# Altium PCB ssmaster.PcbDoc (part 3 of 3) (continued)
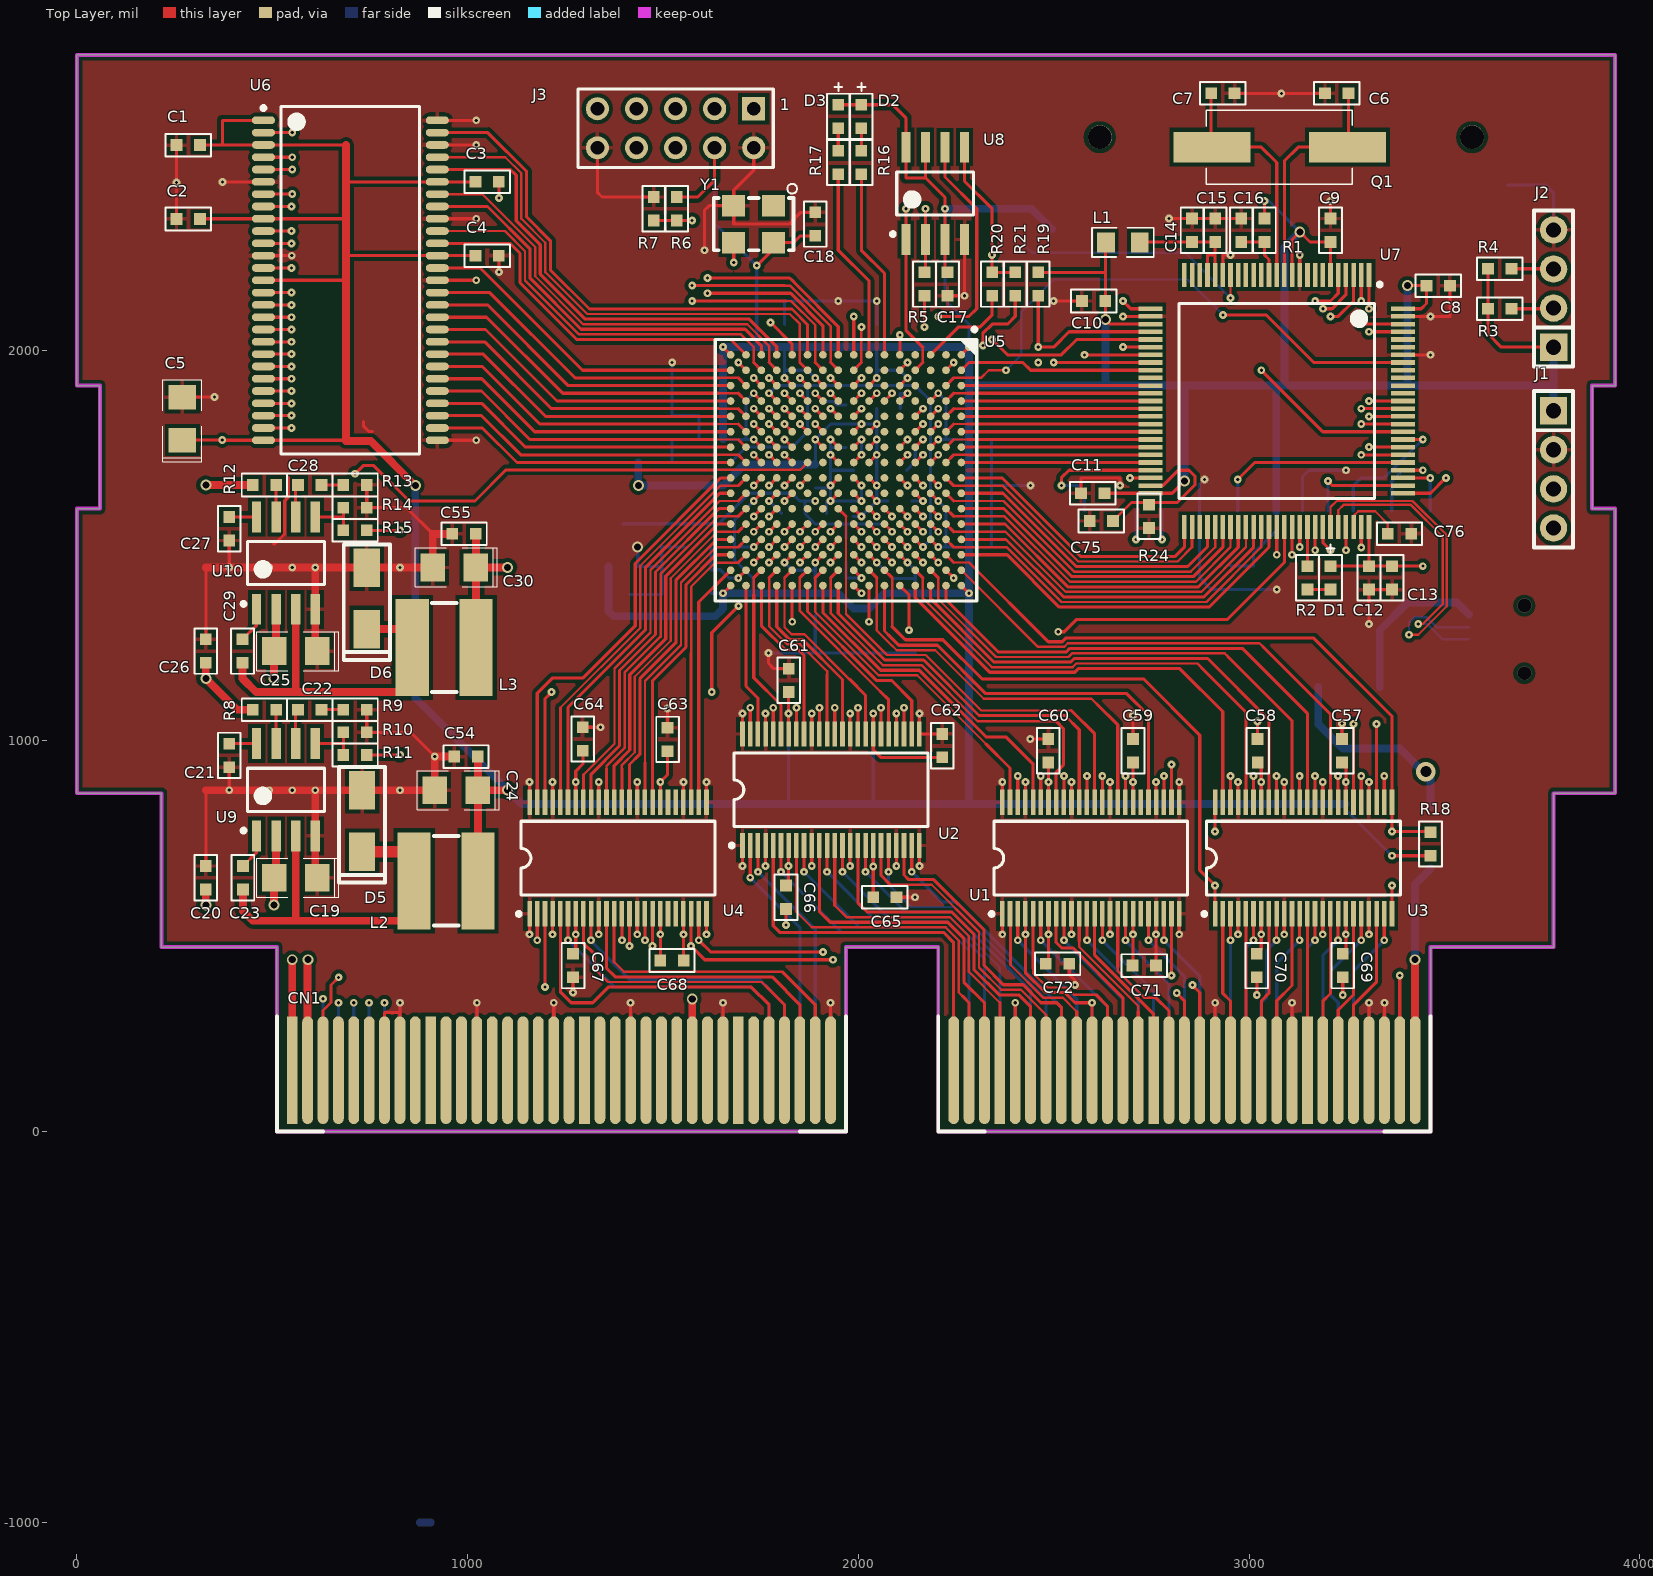
[diagram p0: Top Layer view]
## Nets (pads, with @x,y where several pads share a name; then routed paths per layer and width w, separated by ;. In a path a pad name is that pad's centre, name@x,y a point inside that pad or via, vN(x,y) a via of type N, cw(c..) or ccw(c..) an arc to the next point about the centre after c; other vN are vias at no path point) (continued)
MD4: U5.K5 U6.8 | length 1697.7
  Top Layer w8: U6.8@477.56,2367.98 v1(549.61,2367.98) ; v1(1889.76,1850.39) U5.K5@1909.45,1830.71
  Mid-Layer 1 w6: 1870.08,1943.89 1870.08,1881.89 1889.76,1862.21 v1(1889.76,1850.39)
  Mid-Layer 1 w8: v1(549.61,2367.98) 812.58,2105 1708.97,2105 1870.08,1943.89
MD5: U5.L3 U6.10 | length 1563.3
  Top Layer w8: U6.10@477.56,2304.98 v1(549.61,2304.98) ; v1(1850.39,1929.13) U5.L3@1870.08,1909.45
  Mid-Layer 1 w8: v1(549.61,2304.98) 772.59,2082 1709.34,2082 1850.39,1940.95 v1(1850.39,1929.13)
MD6: U5.L4 U6.11 | length 1575.4
  Top Layer w8: U6.11@477.56,2273.49 v1(549.61,2273.49) ; v1(1850.39,1889.76) U5.L4@1870.08,1870.08
  Mid-Layer 1 w6: 1817.43,1948.82 1818.11,1948.13 1818.89,1948.13 1830.02,1937 1830.02,1922.63 1850.39,1902.26 v1(1850.39,1889.76)
  Mid-Layer 1 w8: v1(549.61,2273.49) 762.09,2061 1705.24,2061 1817.43,1948.82
MD7: U5.K6 U6.13 | length 1648.2
  Top Layer w8: U6.13@477.56,2210.5 v1(549.61,2210.5) ; v1(1889.76,1811.02) U5.K6@1909.45,1791.34
  Mid-Layer 1 w6: 1787.4,1955.7 1792.02,1951.08 1792.02,1921.26 1803.15,1910.13 1818.21,1910.13 1831.39,1896.95 1831.39,1881.89 1842.52,1870.76 1857.58,1870.76 1870.76,1857.58 1870.76,1842.52 1889.76,1823.52 v1(1889.76,1811.02)
  Mid-Layer 1 w8: v1(549.61,2210.5) 732.54,2027.56 1644.94,2027.56 1645.26,2027.88 1712.28,2027.88 1735.96,2004.19 1738.91,2004.19 1787.4,1955.7
MD8: U5.T2 U6.42 | length 859.2
  Top Layer w8: U6.42@922.44,2210.5 1032.5,2210.5 1294.18,1948.82 U5.T2@1673.23,1948.82
MD9: U5.R1 U6.44 | length 952.2
  Top Layer w8: U6.44@922.44,2273.49 1108.51,2273.49 1134,2248 1134,2173.09 1279.53,2027.56 1673.23,2027.56 U5.R1@1712.6,1988.19
MD10: U5.P2 U6.45 | length 1044
  Top Layer w6: U6.45@922.44,2304.98 1095.4,2304.98 1147,2253.38 1147,2178.47 1284.91,2040.56 1699.59,2040.56 1732.28,2007.87 1732.28,1968.5
  Top Layer w8: 1732.28,1968.5 U5.P2@1751.97,1948.82
MD11: U5.P1 U6.47 | length 1044.6
  Top Layer w8: U6.47@922.44,2367.98 1050.79,2367.98 1160,2258.77 1160,2183.86 1290.3,2053.56 1710.22,2053.56 1751.97,2011.81 U5.P1@1751.97,1988.19
MD12: U5.N2 U6.48 | length 1124.1
  Top Layer w6: U6.48@922.44,2399.47 1037.68,2399.47 1173,2264.15 1173,2189.24 1295.68,2066.56 1715.61,2066.56 1771.65,2010.51 1771.65,1968.5
  Top Layer w8: 1771.65,1968.5 U5.N2@1791.34,1948.82
MD13: U5.N1 U6.50 | length 1189.8
  Top Layer w8: U6.50@922.44,2462.46 1109.54,2462.46 1124.58,2447.42 1124.58,2330.95 1186,2269.54 1186,2194.63 1301.07,2079.56 1720.99,2079.56 1791.34,2009.21 U5.N1@1791.34,1988.19
MD14: U5.L2 U6.51 | length 1343.2
  Top Layer w6: U6.51@922.44,2493.96 1096.42,2493.96 1137.58,2452.8 1137.58,2336.34 1199,2274.92 1199,2200.01 1306.45,2092.56 1824.76,2092.56 1850.39,2066.93 1850.39,1968.5
  Top Layer w8: 1850.39,1968.5 U5.L2@1870.08,1948.82
MD15: U5.L1 U6.53 | length 1340.7
  Top Layer w8: U6.53@922.44,2556.95 1051.82,2556.95 1150.58,2458.19 1150.58,2341.72 1212,2280.31 1212,2205.39 1311.84,2105.56 1830.15,2105.56 1870.08,2065.63 U5.L1@1870.08,1988.19
MLDQM: U5.N3 U6.15 | length 1424.7
  Top Layer w8: U6.15@477.56,2147.5 v1(549.61,2147.5) ; v1(1771.65,1929.13) U5.N3@1791.34,1909.45
  Mid-Layer 1 w8: v1(549.61,2147.5) 708.92,1988.19 709.23,1988.5 1644.63,1988.5 1645.26,1987.88 1684,1987.88 1684.63,1988.5 1701.2,1988.5 1701.51,1988.19 1732.28,1988.19 1771.65,1948.82 v1(1771.65,1929.13)
MRAS: U5.M6 U6.18 | length 1486.9
  Top Layer w8: U6.18@477.56,2053.02 v1(549.61,2053.02) ; v1(1811.02,1811.02) U5.M6@1830.71,1791.34
  Mid-Layer 1 w6: 1716.54,1909.45 1740.16,1909.45 1740.16,1908.76 1751.28,1897.63 1751.28,1882.58 1763.78,1870.08 1779.53,1870.08 1791.34,1858.27 1791.34,1830.71
  Mid-Layer 1 w8: v1(549.61,2053.02) 693.17,1909.45 1716.54,1909.45 ; 1791.34,1830.71 v1(1811.02,1811.02)
MSEL1: R6.1 R7.2 U5.H12 | length 1154.6
  Top Layer w8: R7.2@1476.38,2332.2 R6.1@1535.43,2332.2 v1(1574.8,2332.2) ; U5.H12@1988.19,1555.12 v1(2007.87,1535.43)
  Mid-Layer 1 w6: 1909.45,1830.71 1909.45,1948.82
  Mid-Layer 1 w8: v1(1574.8,2332.2) 1663.86,2332.2 1830.71,2165.35 1830.71,2027.56 1909.45,1948.82 ; 1909.45,1830.71 1976.87,1763.28 1976.87,1566.43 v1(2007.87,1535.43)
MUDQM: U5.T3 U6.39 | length 836.3
  Top Layer w8: U6.39@922.44,2116.01 1050.99,2116.01 1257.55,1909.45 U5.T3@1673.23,1909.45
MWE: U5.L6 U6.16 | length 1563.8
  Top Layer w8: U6.16@477.56,2116.01 v1(549.61,2116.01) ; v1(1850.39,1811.02) U5.L6@1870.08,1791.34
  Mid-Layer 1 w6: 1681.1,1948.82 1740.16,1948.82 1752.65,1936.32 1752.65,1921.26 1763.78,1910.13 1782.78,1910.13 1790.65,1902.26 1790.65,1882.58 1803.15,1870.08 1818.9,1870.08 1830.71,1858.27 1830.71,1830.71
  Mid-Layer 1 w8: v1(549.61,2116.01) 716.79,1948.82 1515.02,1948.82 1515.34,1948.5 1665.04,1948.5 1665.35,1948.82 1681.1,1948.82 ; 1830.71,1830.71 v1(1850.39,1811.02)
NetC14_2: C14.2 C15.2 L1.2 U7.21 U7.22 | length 346.5
  Top Layer w8: L1.2@2721.97,2277.09 C14.2@2854.33,2277.09 C15.2@2913.39,2277.09 2913.39,2244.09 ; U7.22@2893.7,2192.91 2893.7,2244.09 2913.39,2244.09 ; U7.21@2913.39,2192.91 2913.39,2244.09
NetC16_1: C16.1 R1.1 U7.14 | length 148.1
  Top Layer w8: C16.1@2980.32,2277.09 R1.1@3039.37,2277.09 3039.37,2244.09 3051.18,2232.28 U7.14@3051.18,2192.91
NetC21_2: C21.2 U9.8 | length 69.9
  Top Layer w8: C21.2@390.11,993.11 U9.8@460,993.11
NetC22_1: C22.1 R9.1 | length 56
  Top Layer w8: C22.1@626,1080 R9.1@682,1080
NetC22_2: C22.2 U9.6 | length 80.9
  Top Layer w8: U9.6@560,993.11 C22.2@560,1074
NetC23_1: C23.1 D5.2 L2.1 U9.3 | length 878.6
  Top Layer w20: C23.1@425,620 425,565 450,540 560,540 ; U9.3@560,756.89 560,540 ; L2.1@863.31,540 560,540
  Top Layer w30: D5.2@730,716.26 L2.1@888,716.26
NetC23_2: C23.2 U9.1 | length 91.4
  Top Layer w8: C23.2@425,680 460,715 U9.1@460,756.89
NetC27_2: C27.2 U10.8 | length 69.9
  Top Layer w8: C27.2@390.11,1573.11 U10.8@460,1573.11
NetC28_1: C28.1 R13.1 | length 56
  Top Layer w8: C28.1@626,1655 R13.1@682,1655
NetC28_2: C28.2 U10.6 | length 75.9
  Top Layer w8: U10.6@560,1573.11 C28.2@560,1649
NetC29_1: C29.1 D6.2 L3.1 U10.3 | length 876.4
  Top Layer w20: C29.1@424,1200 424,1160 459,1125 L3.1@888,1125 ; 560,1125 U10.3@560,1336.89 ; D6.2@742,1286.26 L3.1@888,1286.26
NetC29_2: C29.2 U10.1 | length 91.8
  Top Layer w8: C29.2@424,1260 460,1296 U10.1@460,1336.89
NetC49_2: C49.2 C50.2 C51.2 L4.2 U5.D13 U5.N4 | length 1433.4
  Top Layer w8: v1(1771.65,1889.76) U5.N4@1791.34,1870.08 ; U5.D13@2145.67,1515.75 v1(2165.36,1496.06)
  Bottom Layer w8: C49.2@1523.62,1773.15 L4.2@1523.62,1712.6 1673.23,1712.6 1712.6,1751.97 1830.71,1751.97 1870.07,1791.33 1870.07,1909.45 ; v1(1771.65,1889.76) 1791.34,1909.45 1870.07,1909.45 ; v1(2165.36,1496.06) 2185.04,1515.75 2185.04,1870.08 2145.67,1909.45 1968.5,1909.45 1870.07,1909.45
NetC75_1: C75.1 R24.1 U7.49 | length 406.4
  Top Layer w8: C75.1@2652.05,1562.99 2699.29,1610.24 2816.7,1610.24 2861.44,1654.97 2861.44,1677.93 2846.46,1692.91 2818.9,1692.91 2779.53,1653.54 U7.49@2748.03,1653.54
NetC76_2: C76.2 U7.73 | length 159.2
  Top Layer w6: U7.73@3267.72,1547.24 3267.72,1575.76 3279.71,1587.76 3322.99,1587.76 3355.13,1555.62 C76.2@3355.13,1530.61
NetD1_2: D1.2 R2.1 | length 59.1
  Top Layer w8: R2.1@3149.61,1387.32 D1.2@3208.66,1387.32
NetD2_2: D2.2 R16.2 | length 58.1
  Top Layer w8: R16.2@2007.87,2510.32 D2.2@2007.87,2568.43
NetD3_2: D3.2 R17.2 | length 58.1
  Top Layer w8: R17.2@1948.82,2510.32 D3.2@1948.82,2568.43
NetJ5_2: J5.2 U7.70 | length 900.6
  Top Layer w6: U7.70@3208.66,1547.24 3208.66,1598.43 3224.41,1614.17 3418.81,1614.17 3506.06,1526.92 3506.06,1344.65 3433.07,1271.65 v1(3409.45,1271.65)
  Bottom Layer w6: v1(3409.45,1271.65) 3409.45,1302.23 3423.43,1316.21 3454.64,1316.21 3479.52,1291.34 J5.2@3562.99,1291.34
NetJ5_3: J5.3 U7.71 | length 753.2
  Top Layer w6: U7.71@3228.35,1547.24 3228.35,1590.55 3241.97,1604.17 3414.67,1604.17 3496.06,1522.78 3496.06,1350.39 3444.88,1299.21 v1(3433.07,1299.21)
  Bottom Layer w6: v1(3433.07,1299.21) 3456.38,1299.21 3495.75,1259.84 J5.3@3562.99,1259.84
NetR2_2: R2.2 U7.67 | length 99.9
  Top Layer w8: R2.2@3149.61,1447.32 U7.67@3149.61,1547.24
NetR8_1: R8.1 U9.7 | length 86.9
  Top Layer w8: U9.7@510,993.11 R8.1@510,1080
NetR10_2: R10.2 R11.2 U9.5 | length 128.9
  Top Layer w8: U9.5@610,993.11 680.89,993.11 ; R11.2@682,964 R10.2@682,1022
NetR12_1: R12.1 U10.7 | length 81.9
  Top Layer w8: U10.7@510,1573.11 R12.1@510,1655
NetR14_2: R14.2 R15.2 U10.5 | length 128.9
  Top Layer w8: U10.5@610,1573.11 680.89,1573.11 ; R15.2@682,1539 R14.2@682,1597
NetR22_1: R22.1 R23.1 U7.19 | length 658.6
  Top Layer w6: v1(2952.75,2133.85) U7.19@2952.76,2192.91
  Mid-Layer 1 w6: v1(2952.75,2133.85) 2952.75,2137.79 v1@2956.69,2141.73
  Bottom Layer w6: R23.1@2420.76,2274.09 2445.33,2249.53 R22.1@2496.06,2249.53 2837.08,2249.53 v1(2952.75,2133.85)
OSC_IN: C6.1 Q1.2 U7.12 | length 603.3
  Top Layer w8: U7.12@3090.55,2192.91 3090.55,2484.25 3125.98,2519.68 Q1.2@3252.24,2519.68 ; Q1.2@3254.41,2521.85 C6.1@3254.41,2657.48
OSC_OUT: C7.1 Q1.1 U7.13 | length 605
  Top Layer w8: Q1.1@2903.07,2521.85 C7.1@2903.07,2657.48 ; Q1.1@2905.24,2519.68 3031.5,2519.68 3070.87,2480.32 U7.13@3070.87,2192.91
SA16: U5.A12 U7.58 | length 868.5
  Top Layer w8: U5.A12@2263.78,1555.12 2375.57,1555.12 2536.25,1394.44 2870.82,1394.44 2972.44,1496.06 U7.58@2972.44,1547.24
SA17: U5.B12 U7.59 | length 938.3
  Top Layer w6: 2244.09,1535.43 2376.87,1535.43 2530.87,1381.44 2877.5,1381.44 2992.13,1496.06 2992.13,1515.75
  Top Layer w8: U5.B12@2224.41,1555.12 2244.09,1535.43 ; 2992.13,1515.75 U7.59@2992.13,1547.24
SA18: U5.A13 U7.60 | length 913.1
  Top Layer w8: U5.A13@2263.78,1515.75 2378.17,1515.75 2525.48,1368.44 2884.19,1368.44 3011.81,1496.06 U7.60@3011.81,1547.24
SA19: U5.E7 U7.2 | length 1465.2
  Top Layer w8: U5.E7@2106.3,1751.97 v1(2125.99,1771.65) ; v1(3287.4,2125.98) U7.2@3287.4,2192.91
  Mid-Layer 1 w6: 2145.67,1791.34 2224.41,1791.34
  Mid-Layer 1 w8: v1(2125.99,1771.65) 2145.67,1791.34 ; 2224.41,1791.34 3059.06,1791.34 3248.03,1980.32 3248.03,2086.61 v1(3287.4,2125.98)
SA20: U5.C6 U7.3 | length 1359.7
  Top Layer w8: U5.C6@2185.04,1791.34 v1(2204.73,1811.02) ; v1(3208.66,2086.61) 3228.35,2086.61 3267.72,2125.98 U7.3@3267.72,2192.91
  Mid-Layer 1 w8: v1(2204.73,1811.02) 3055.12,1811.02 3208.66,1964.57 v1(3208.66,2086.61)
SA21: U5.D6 U7.4 | length 1379.4
  Top Layer w8: U5.D6@2145.67,1791.34 v1(2165.36,1811.02) ; v1(3188.98,2106.3) 3212.6,2106.3 3248.03,2141.73 U7.4@3248.03,2192.91
  Mid-Layer 1 w6: 2193.3,1830.71 2228.35,1830.71 ; 3188.98,2066.93 v1(3188.98,2106.3)
  Mid-Layer 1 w8: v1(2165.36,1811.02) 2185.04,1830.71 2193.3,1830.71 ; 2228.35,1830.71 3051.18,1830.71 3188.98,1968.5 3188.98,2066.93
SA22: U5.D5 U7.5 | length 1350.3
  Top Layer w8: U5.D5@2145.67,1830.71 v1(2165.36,1850.39) ; v1(3169.29,2125.98) 3208.66,2125.98 3228.35,2145.67 U7.5@3228.35,2192.91
  Mid-Layer 1 w6: 2185.04,1870.08 2220.47,1870.08 ; 3169.29,2082.68 v1@3169.29,2122.05
  Mid-Layer 1 w8: v1(2165.36,1850.39) 2185.04,1870.08 ; 2220.47,1870.08 3066.93,1870.08 3169.29,1972.44 3169.29,2082.68 ; v1@3169.29,2122.05 v1(3169.29,2125.98)
SA23: U5.D8 U7.1 | length 1474
  Top Layer w8: U5.D8@2145.67,1712.6 v1(2165.36,1732.28) ; v1(3307.09,2106.3) U7.1@3307.09,2192.91
  Mid-Layer 1 w6: 2185.04,1751.97 2224.41,1751.97 ; 3267.72,2055.12 3267.72,2083.67
  Mid-Layer 1 w8: v1(2165.36,1732.28) 2185.04,1751.97 ; 2224.41,1751.97 3043.31,1751.97 3267.72,1976.38 3267.72,2055.12 ; 3267.72,2083.67 3288.87,2104.83 3305.61,2104.83 v1(3307.09,2106.3)
SCE1: U5.E9 U7.88 | length 1397.3
  Top Layer w8: U5.E9@2106.3,1673.23 v1(2125.98,1653.54) ; v1(3307.08,1870.08) U7.88@3393.7,1870.08
  Mid-Layer 1 w8: v1(2125.98,1653.54) 2125.98,1673.23 2145.98,1693.23 2703.76,1693.23 2704.08,1692.91 3082.68,1692.91 3260.16,1870.39 3306.77,1870.39 v1(3307.08,1870.08)
SCLK: U5.E1 U7.84 | length 1523.1
  Top Layer w8: U5.E1@2106.3,1988.19 v1(2106.3,2039.37) ; v1(3031.5,1948.82) 3188.98,1791.34 U7.84@3393.7,1791.34
  Mid-Layer 1 w8: v1(2106.3,2039.37) 2197.16,1948.5 2252.38,1948.5 2252.69,1948.82 2349.67,1948.82 2448.09,2047.24 2480.32,2047.24 2578.74,1948.82 v1(3031.5,1948.82)
SD0: U5.B13 U7.61 | length 982.9
  Top Layer w6: 2244.09,1496.06 2379.47,1496.06 2520.1,1355.44 2890.87,1355.44 3031.5,1496.06 3031.5,1511.81
  Top Layer w8: U5.B13@2224.41,1515.75 2244.09,1496.06 ; 3031.5,1511.81 U7.61@3031.5,1547.24
SD1: U5.A14 U7.62 | length 957.7
  Top Layer w8: U5.A14@2263.78,1476.38 2380.78,1476.38 2514.71,1342.44 2897.56,1342.44 3051.18,1496.06 U7.62@3051.18,1547.24
SD2: U5.D11 U7.81 | length 1395.4
  Top Layer w8: U5.D11@2145.67,1594.49 v1(2165.36,1574.8) ; v1(3287.4,1732.28) U7.81@3393.7,1732.28
  Mid-Layer 1 w6: 2185.04,1555.12 2224.41,1555.12
  Mid-Layer 1 w8: v1(2165.36,1574.8) 2185.04,1555.12 ; 2224.41,1555.12 3208.66,1555.12 3287.4,1633.85 v1(3287.4,1732.28)
SD3: U5.C11 U7.82 | length 1290.5
  Top Layer w8: U5.C11@2185.04,1594.49 v1(2204.73,1574.8) ; v1(3307.08,1751.97) U7.82@3393.7,1751.97
  Mid-Layer 1 w8: v1(2204.73,1574.8) 3074.8,1574.8 3252.28,1752.28 3306.77,1752.28 v1(3307.08,1751.97)
SD4: U5.A4 U7.38 | length 484.3
  Top Layer w8: U5.A4@2263.78,1870.08 2669.29,1870.08 U7.38@2748.03,1870.08
SD5: U5.B5 U7.39 | length 531.8
  Top Layer w6: 2244.09,1850.39 2279.53,1850.39
  Top Layer w8: U5.B5@2224.41,1830.71 2244.09,1850.39 ; 2279.53,1850.39 U7.39@2748.03,1850.39
SD6: U5.A5 U7.40 | length 484.3
  Top Layer w8: U5.A5@2263.78,1830.71 U7.40@2748.03,1830.71
SD7: U5.B6 U7.41 | length 531.8
  Top Layer w6: 2244.09,1811.02 2279.53,1811.02
  Top Layer w8: U5.B6@2224.41,1791.34 2244.09,1811.02 ; 2279.53,1811.02 U7.41@2748.03,1811.02
SD8: U5.A6 U7.42 | length 484.3
  Top Layer w8: U5.A6@2263.78,1791.34 U7.42@2748.03,1791.34
SD9: U5.B7 U7.43 | length 531.8
  Top Layer w6: 2244.09,1771.65 2279.53,1771.65
  Top Layer w8: U5.B7@2224.41,1751.97 2244.09,1771.65 ; 2279.53,1771.65 U7.43@2748.03,1771.65
SD10: U5.A7 U7.44 | length 484.3
  Top Layer w8: U5.A7@2263.78,1751.97 U7.44@2748.03,1751.97
SD11: U5.B8 U7.45 | length 531.8
  Top Layer w6: 2244.09,1732.28 2279.53,1732.28
  Top Layer w8: U5.B8@2224.41,1712.6 2244.09,1732.28 ; 2279.53,1732.28 U7.45@2748.03,1732.28
SD12: U5.A8 U7.46 | length 484.3
  Top Layer w8: U5.A8@2263.78,1712.6 U7.46@2748.03,1712.6
SD13: U5.B10 U7.55 | length 849.1
  Top Layer w6: 2244.09,1614.17 2371.67,1614.17 2552.41,1433.44 2850.76,1433.44 2913.39,1496.06 2913.39,1515.75
  Top Layer w8: U5.B10@2224.41,1633.86 2244.09,1614.17 ; 2913.39,1515.75 U7.55@2913.39,1547.24
SD14: U5.A11 U7.56 | length 823.9
  Top Layer w8: U5.A11@2263.78,1594.49 2372.97,1594.49 2547.02,1420.44 2857.45,1420.44 2933.07,1496.06 U7.56@2933.07,1547.24
SD15: U5.B11 U7.57 | length 893.7
  Top Layer w6: 2244.09,1574.8 2374.27,1574.8 2541.64,1407.44 2864.13,1407.44 2952.76,1496.06 2952.76,1515.75
  Top Layer w8: U5.B11@2224.41,1594.49 2244.09,1574.8 ; 2952.76,1515.75 U7.57@2952.76,1547.24
SDMC_CD: J4.10 U7.77 | length 273.4
  Top Layer w8: v1(3201.97,1665.35) 3213.78,1653.54 U7.77@3393.7,1653.54
  Bottom Layer w8: J4.10@3201.97,1588.58 v1(3201.97,1665.35)
SDMC_CLK: J4.5 U7.80 | length 521.1
  Top Layer w8: v1(2971.26,1669.29) 3014.57,1712.6 U7.80@3393.7,1712.6
  Bottom Layer w8: J4.5@2971.26,1588.58 v1(2971.26,1669.29)
SDMC_CMD: J4.2 U7.83 | length 342.6
  Top Layer w8: U7.83@3393.7,1771.65 v1(3444.88,1771.65)
  Bottom Layer w8: J4.2@3266.93,1588.58 3266.93,1652.76 3287.4,1673.23 3346.46,1673.23 v1(3444.88,1771.65)
SDMC_D0: J4.7 U7.65 | length 492.7
  Top Layer w8: v1(3110.24,1476.38) U7.65@3110.24,1547.24
  Mid-Layer 1 w8: v1(2777.56,1515.74) 3070.87,1515.74 v1(3110.24,1476.38)
  Bottom Layer w8: v1(2777.56,1515.74) J4.7@2777.56,1588.58
SDMC_D1: J4.8 U7.66 | length 568
  Top Layer w8: v1(3129.92,1496.06) U7.66@3129.92,1547.24
  Mid-Layer 1 w8: v1(2710.63,1515.75) 2730.63,1535.74 2785.84,1535.74 2786.16,1535.43 3090.55,1535.43 v1(3129.92,1496.06)
  Bottom Layer w8: v1(2710.63,1515.75) J4.8@2710.63,1588.58
SDMC_D2: J4.9 U7.78 | length 155.5
  Top Layer w8: U7.78@3393.7,1673.23 v1@3464.56,1673.23
  Bottom Layer w8: J4.9@3463.78,1588.58 v1(3463.78,1673.22)
SDMC_D3: J4.1 U7.79 | length 218.4
  Top Layer w8: U7.79@3393.7,1692.91 v1(3444.88,1692.91)
  Bottom Layer w8: J4.1@3365.35,1588.58 3365.35,1664.57 3393.7,1692.91 v1(3444.88,1692.91)
SDMC_WP: J4.11 U7.47 | length 373.3
  Top Layer w8: v1(2519.68,1653.54) 2519.68,1673.23 2539.37,1692.91 U7.47@2748.03,1692.91
  Bottom Layer w8: v1(2519.68,1653.54) 2566.93,1653.54 2578.74,1641.73 J4.11@2578.74,1588.58
SNBL0: U5.E8 U7.97 | length 1488.7
  Top Layer w8: U5.E8@2106.3,1712.6 v1(2125.99,1732.28) ; v1(3307.08,2047.24) U7.97@3393.7,2047.24
  Mid-Layer 1 w8: v1(2125.99,1732.28) 2143.99,1714.28 2155.07,1714.28 2157.07,1712.28 3050.87,1712.28 3307.08,1968.5 v1(3307.08,2047.24)
SNBL1: U5.C8 U7.98 | length 1411
  Top Layer w8: U5.C8@2185.04,1712.6 v1(2204.73,1732.28) ; v1(3287.4,2066.93) U7.98@3393.7,2066.93
  Mid-Layer 1 w8: v1(2204.73,1732.28) 3047.24,1732.28 3287.4,1972.43 3287.08,1972.75 3287.08,2066.61 v1(3287.4,2066.93)
SNOE: U5.E11 U7.85 | length 1393.4
  Top Layer w8: U5.E11@2106.3,1594.49 v1(2125.99,1574.8) ; v1(3287.4,1811.02) U7.85@3393.7,1811.02
  Mid-Layer 1 w6: 2145.67,1594.49 2220.47,1594.49
  Mid-Layer 1 w8: v1(2125.99,1574.8) 2145.67,1594.49 ; 2220.47,1594.49 3070.86,1594.49 v1(3287.4,1811.02)
SNWAIT: U5.C9 U7.87 | length 1314.9
  Top Layer w8: U5.C9@2185.04,1673.23 v1(2204.73,1653.54) ; v1(3287.4,1850.39) U7.87@3393.7,1850.39
  Mid-Layer 1 w8: v1(2204.73,1653.54) 2244.1,1653.54 2263.78,1633.86 2432.35,1633.86 2432.66,1633.54 3054.8,1633.54 3271.65,1850.39 v1(3287.4,1850.39)
SNWE: U5.D9 U7.86 | length 1362.2
  Top Layer w8: U5.D9@2145.67,1673.23 v1(2165.36,1653.54) ; v1(3307.08,1830.71) U7.86@3393.7,1830.71
  Mid-Layer 1 w6: 2185.04,1633.86 2224.41,1633.86 ; 3261.81,1812.99 3279.53,1830.71 v1(3307.08,1830.71)
  Mid-Layer 1 w8: v1(2165.36,1653.54) 2185.04,1633.86 ; 2224.41,1633.86 2244.09,1614.17 3062.99,1614.17 3261.81,1812.99
SPCLK: CN1.A7 U4.3 | length 801.4
  Top Layer w8: v1(1197.99,370) U4.3@1197.99,557.28
  Mid-Layer 1 w8: v1(787.4,330) 787.4,354.6 802.8,370 v1(1197.99,370)
  Bottom Layer w8: CN1.A7@787.4,157.48 v1(787.4,330)
SPI2_MOSI: U5.A10 U7.54 | length 778.5
  Top Layer w8: U5.A10@2263.78,1633.86 2370.37,1633.86 2557.79,1446.44 2842.78,1446.44 2893.7,1497.36 U7.54@2893.7,1547.24
SPI2_NSS: U5.A9 U7.51 | length 715
  Top Layer w8: U5.A9@2263.78,1673.23 2367.77,1673.23 2568.56,1472.44 2811.02,1472.44 2834.65,1496.06 U7.51@2834.65,1547.24
SPI2_SCK: U5.B9 U7.52 | length 784.8
  Top Layer w6: 2244.09,1653.54 2369.07,1653.54 2563.17,1459.44 2817.71,1459.44 2854.33,1496.06
  Top Layer w8: U5.B9@2224.41,1673.23 2244.09,1653.54 ; 2854.33,1496.06 U7.52@2854.33,1547.24
SSEL: CN1.B3 U4.13 | length 1085.6
  Top Layer w8: CN1.B3@629.92,157.48 629.92,310 650.46,330.54 650.46,375.46 v1(670,395) ; v1(1394.84,490) U4.13@1394.84,557.28
  Mid-Layer 1 w8: v1(670,395) 713,438 1342.84,438 v1(1394.84,490)
SWCK: J2.3 R4.1 U7.76 | length 935.9
  Top Layer w8: U7.76@3393.7,1633.86 3464.57,1633.86 v1(3503.94,1673.23) ; R4.1@3671.73,2208.66 J2.3@3778.74,2208.66
  Mid-Layer 1 w8: v1(3503.94,1673.23) 3543.31,1712.6 3543.31,2062.99 3688.19,2207.87 J2.3@3779.53,2207.87
SWIO: J2.2 R3.1 U7.72 | length 1094.1
  Top Layer w8: v1(3248.03,1488.19) U7.72@3248.03,1547.24 ; R3.1@3671.73,2106.3 J2.2@3777.95,2106.3
  Mid-Layer 1 w8: v1(3248.03,1488.19) 3295.28,1535.43 3405.51,1535.43 3570.87,1700.79 3570.87,1940.94 3737.8,2107.87 J2.2@3779.53,2107.87
SYSRES: CN1.A3 U4.2 | length 901
  Top Layer w8: v1(1178.31,490) U4.2@1178.31,557.28
  Mid-Layer 1 w8: v1(629.92,340) 629.92,409.45 630.17,409.45 678.03,457.3 1145.61,457.3 v1(1178.31,490)
  Bottom Layer w8: CN1.A3@629.92,157.48 v1(629.92,340)
TCK: J3.1 U5.H3 | length 831
  Top Layer w8: U5.H3@1988.19,1909.45 v1(2007.87,1929.13)
  Mid-Layer 1 w8: J3.1@1732.28,2618.11 1913.39,2437.01 1913.39,2094.49 2007.87,2000 v1(2007.87,1929.13)
TDI: J3.9 U5.H4 | length 1404.8
  Top Layer w8: U5.H4@1988.19,1870.08 v1(2007.87,1889.76)
  Mid-Layer 1 w8: J3.9@1332.28,2618.11 1411.02,2696.85 1653.54,2696.85 1681.1,2669.29 1681.1,2472.44 1692.91,2460.63 1811.02,2460.63 1889.76,2381.89 1889.76,2082.68 1984.25,1988.19 1984.25,1913.39 v1(2007.87,1889.76)
TDO: J3.3 U5.J4 | length 1242.5
  Top Layer w8: v1(1929.13,1889.76) U5.J4@1948.82,1870.08
  Mid-Layer 1 w8: J3.3@1632.28,2618.11 1632.28,2655.12 1610.24,2677.17 1515.75,2677.17 1484.25,2645.67 1484.25,2464.57 1566.93,2381.89 1653.54,2381.89 1850.39,2185.04 1850.39,2051.18 1947.13,1954.44 1947.13,1941.42 1949.13,1939.42 1949.13,1909.76 v1(1929.13,1889.76)
TMS: J3.5 U5.J5 | length 1078.8
  Top Layer w8: v1(1929.13,1850.39) U5.J5@1948.82,1830.71
  Mid-Layer 1 w8: J3.5@1532.28,2618.11 1582.68,2567.72 1582.68,2472.44 1633.86,2421.26 1787.4,2421.26 1870.08,2338.58 1870.08,2066.93 1964.07,1972.94 1964.07,1885.33 v1(1929.13,1850.39)
pads on no net: CN1.A9 CN1.A10 CN1.A11 CN1.A12 CN1.A14 CN1.A15 CN1.A16 CN1.A17 CN1.A19 CN1.A20 CN1.A21 CN1.A22 CN1.A24 CN1.A25 CN1.A26 CN1.A28 CN1.A30 CN1.A31 CN1.A66 CN1.B4 CN1.B5 CN1.B6 CN1.B9 CN1.B10 CN1.B11 CN1.B12 CN1.B14 CN1.B15 CN1.B16 CN1.B17 CN1.B19 CN1.B20 CN1.B21 CN1.B22 CN1.B24 CN1.B25 CN1.B26 CN1.B28 CN1.B30 CN1.B31 J3.6 J3.7 J3.8 J4.MH1 J4.MH2 J5.4 U1.19 U1.30 U4.19 U4.20 U4.29 U4.30 U5.B1 U5.C2 U5.C3 U5.D1 U5.D3 U5.D4 U5.E5 U5.E6 U5.E10 U5.E15 U5.F2 U5.F3 U5.F5 U5.F6 U5.F7 U5.F8 U5.F9 U5.F10 U5.G2 U5.G5 U5.J6 U5.K8 U5.K9 U5.K10 U5.K11 U5.L7 U5.L10 U5.L11 U5.M2 U5.M11 U7.7 U7.8 U7.9 U7.15 U7.16 U7.17 U7.18 U7.23 U7.24 U7.25 U7.35 U7.53 U7.89 U7.90 U7.91 U7.92 U7.95 U7.96 Y1.1
copper on no net: | length 27.6
  Bottom Layer w20: 877.95,-1000 905.51,-1000
  other v3: 3704.72,1173.23 3704.72,1346.46

## Polygon pours and split planes (outlines as drawn)
GND on Top Layer "tgnd" (solid, remove dead copper, pour order 0): 0,0 3937.01,0 3937.01,2755.91 0,2755.91
GND on Bottom Layer "bgnd" (solid, remove dead copper, pour order 2): 0,0 3937.01,0 3937.01,2755.91 0,2755.91
GND on Mid-Layer 1 "mgnd" (solid, remove dead copper, pour order 4): 0,0 3937.01,0 3937.01,2755.91 0,2755.91
GND on Ground Plane 1 (split plane): 3916.91,1929.55 3877.95,1929.55 3874.03,1929.16 3870.26,1928.02 3866.79,1926.16 3863.74,1923.66 3861.24,1920.61 3859.39,1917.14 3858.24,1913.37 3857.86,1909.45 3857.86,1594.49 3858.24,1590.57 3859.39,1586.8 3861.24,1583.32 3863.74,1580.28 3866.79,1577.78 3870.26,1575.92 3874.03,1574.78 3877.95,1574.39 3916.91,1574.39 3916.91,886.24 3779.53,886.24 3775.61,885.85 3771.84,884.71 3768.36,882.85 3765.32,880.35 3762.82,877.31 3760.96,873.83 3759.82,870.06 3759.43,866.14 3759.43,492.54 3464.57,492.54 3460.65,492.15 3456.88,491.01 3453.4,489.15 3450.36,486.65 3447.86,483.61 3446,480.13 3444.86,476.36 3444.47,472.44 3444.47,20.1 2224.82,20.1 2224.82,472.44 2224.43,476.36 2223.29,480.13 2221.43,483.61 2218.93,486.65 2215.89,489.15 2212.42,491.01 2208.65,492.15 2204.72,492.54 1968.5,492.54 1964.58,492.15 1960.81,491.01 1957.34,489.15 1954.29,486.65 1951.79,483.61 1949.94,480.13 1948.79,476.36 1948.41,472.44 1948.41,20.1 531.91,20.1 531.91,472.44 531.52,476.36 530.38,480.13 528.52,483.61 526.02,486.65 522.98,489.15 519.5,491.01 515.73,492.15 511.81,492.54 236.63,492.54 236.63,866.14 236.25,870.06 235.1,873.83 233.25,877.31 230.75,880.35 227.7,882.85 224.23,884.71 220.46,885.85 216.54,886.24 20.1,886.24 20.1,1574.39 59.06,1574.39 62.98,1574.78 66.75,1575.92 70.22,1577.78 73.27,1580.28 75.77,1583.32 77.62,1586.8 78.77,1590.57 79.15,1594.49 79.15,1909.45 78.77,1913.37 77.62,1917.14 75.77,1920.61 73.27,1923.66 70.22,1926.16 66.75,1928.02 62.98,1929.16 59.06,1929.55 20.1,1929.55 20.1,2735.81 3916.91,2735.81

## Keep-outs
Keep-Out Layer:
  the board outline again, w10

## Silkscreen, mask and mechanical layers (free items; w line width, h text height)
Bottom Overlay:
  text "SAROOO V1.2" at 1929.13,2244.09 h120

## Text inside footprints (layer, text, board x,y; h text height)
J3: Top Overlay "1" at 1799.21,2614.17 h30